# Altium PCB amp.PcbDoc (part 9 of 20)
Units mm, origin at the board's own origin, x right, y up, seen from the top; angles counter-clockwise.
Board outline 210 x 210 mm, 2 copper layers (Top Layer, Bottom Layer); 742 components, 1354 nets, 6402 pads, 5154 vias.
Unrouted connection lines stored in the file: 702.
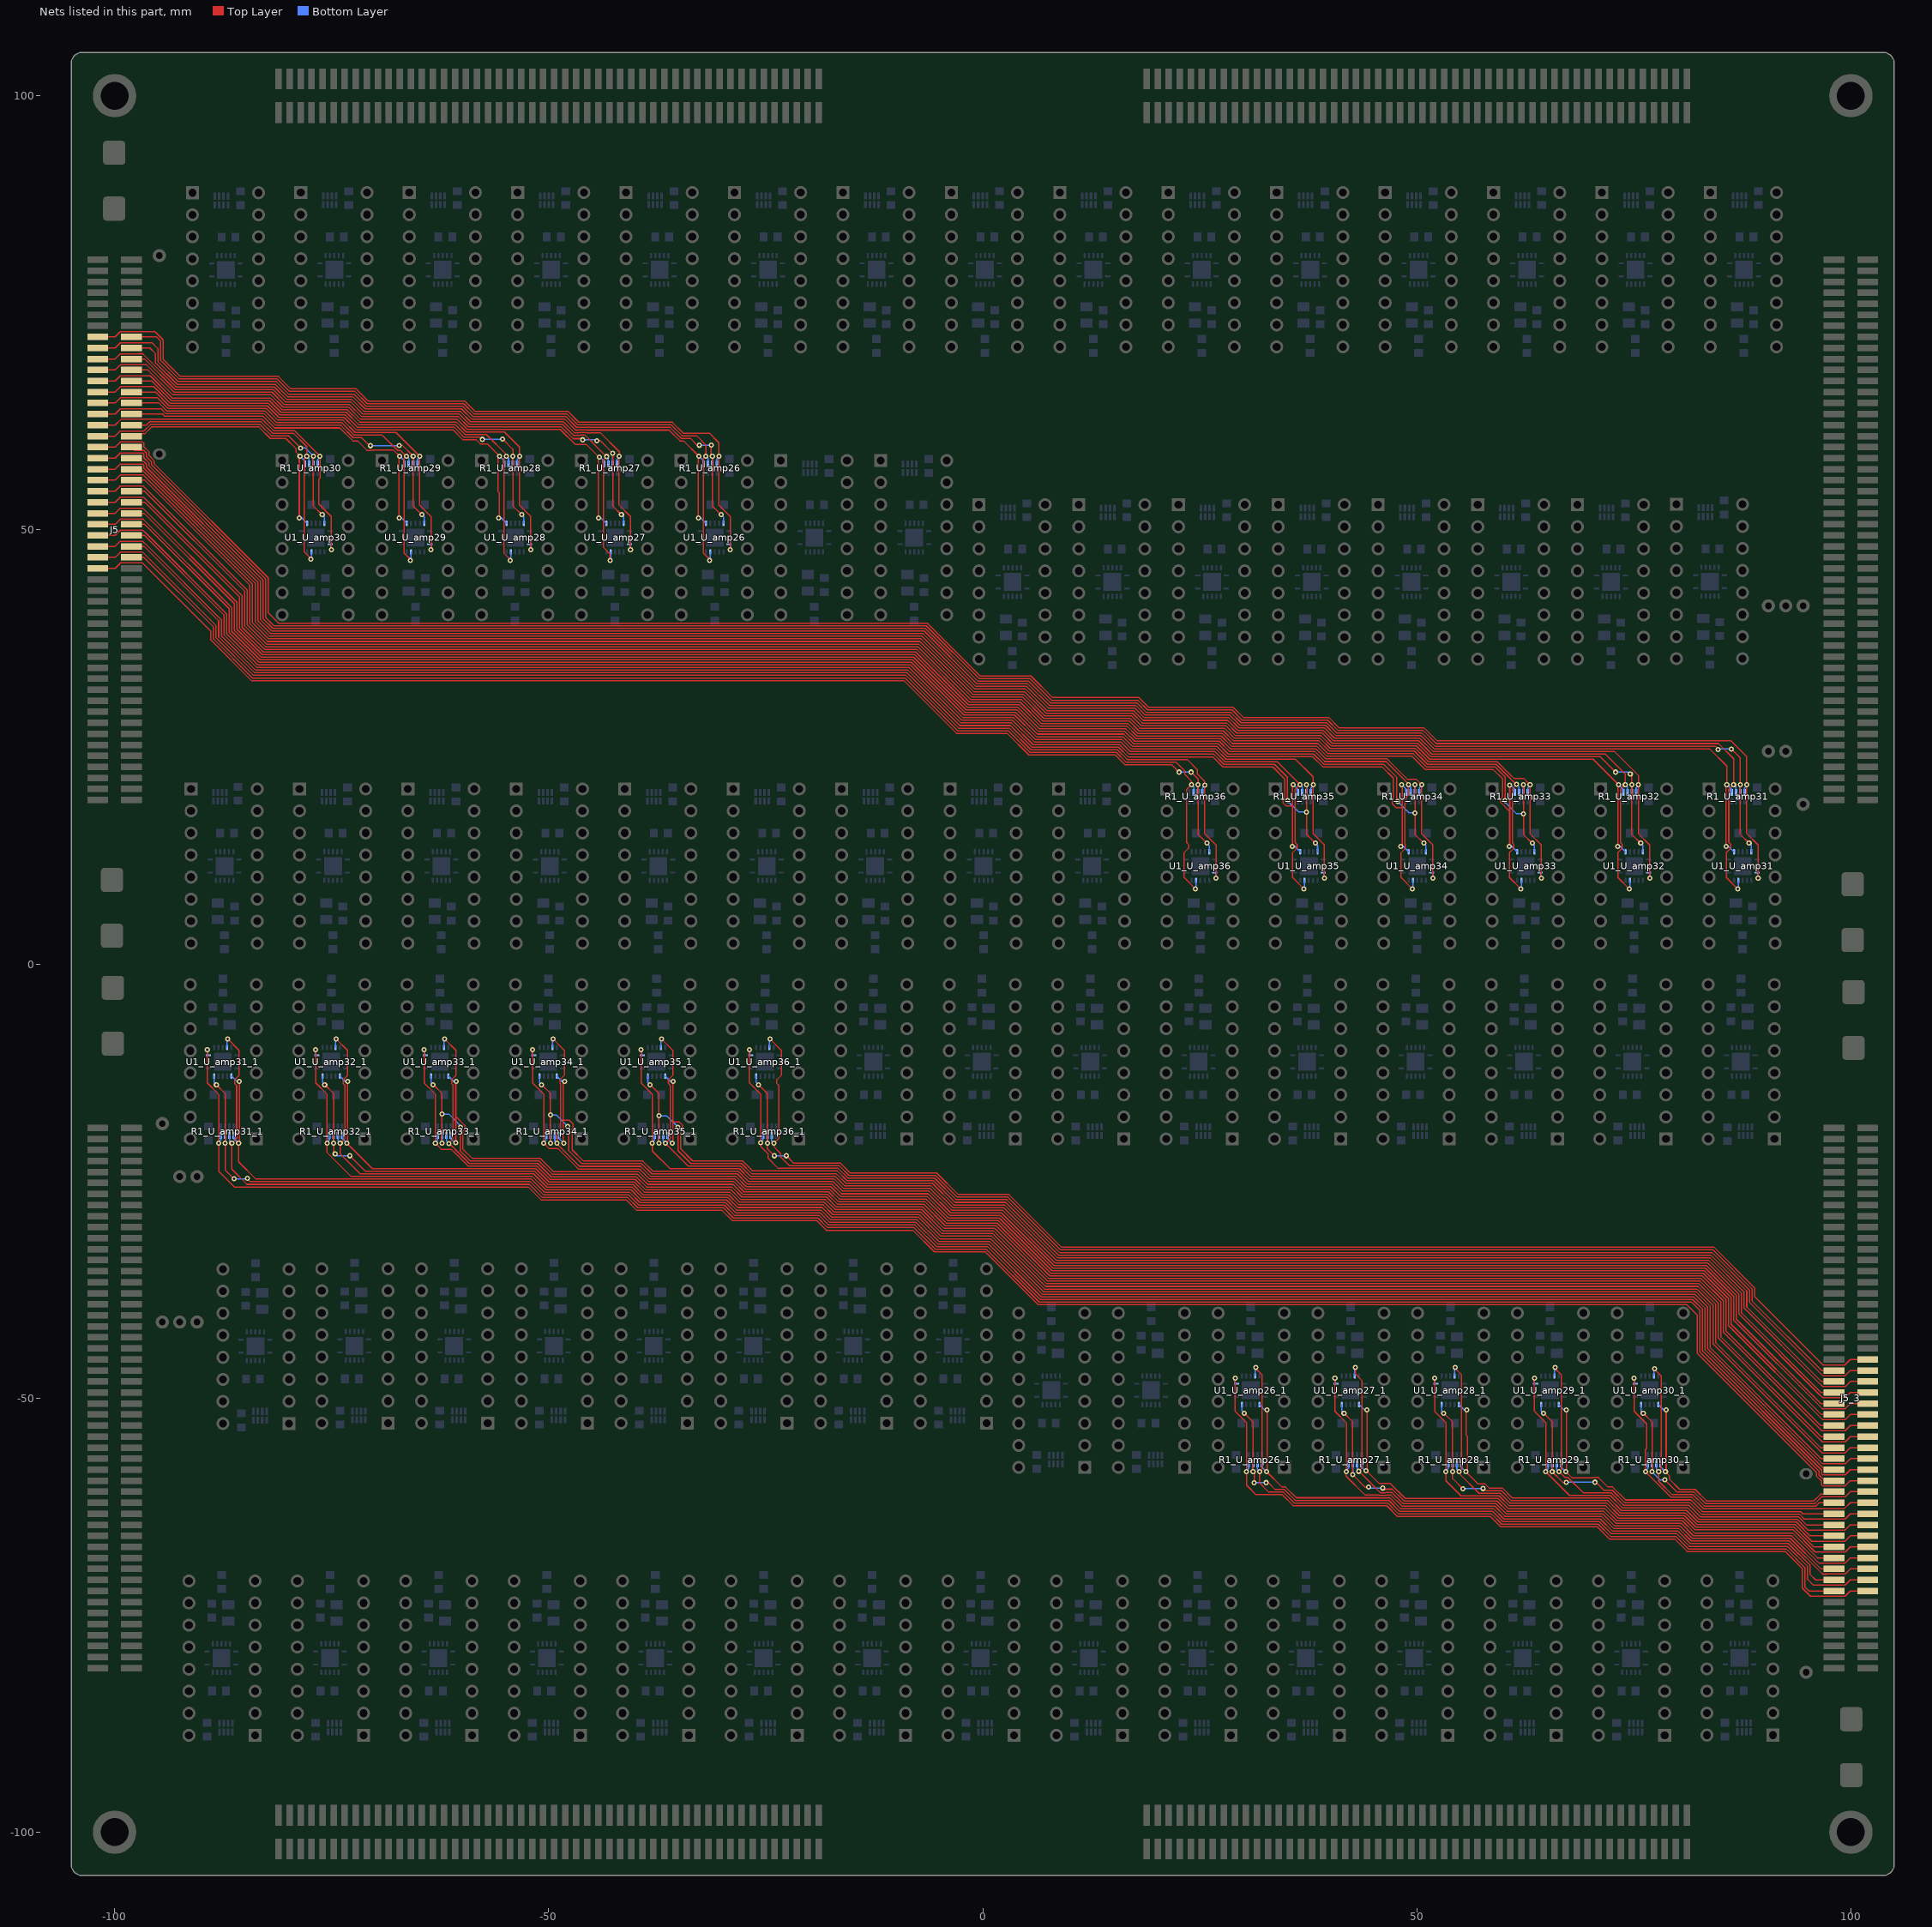
[diagram p9: the nets of this part, all layers, seen from the top]

## Via types
v1: diameter 0.6, hole 0.3, Top Layer to Bottom Layer, tented both sides, 4704 vias
v2: diameter 0.5, hole 0.3, Top Layer to Bottom Layer, 450 vias

## Nets (pads, with @x,y where several pads share a name; then routed paths per layer and width w, separated by ;. In a path a pad name is that pad's centre, name@x,y a point inside that pad or via, vN(x,y) a via of type N, cw(c..) or ccw(c..) an arc to the next point about the centre after c; other vN are vias at no path point) (continued)
NetJ5_44: J5.44 J5_3.44 R1_U_amp36.7 R1_U_amp36_1.7 U1_U_amp36.13 U1_U_amp36_1.13 | length 295.5
  Top Layer w0.15: J5.44@-101.95,45.555 -99.938,45.555 -99.293,46.2 -96.807,46.2 -88.913,38.306 -88.913,37.303 -84.251,32.641 -9.099,32.641 -3.018,26.56 2.82,26.56 5.308,24.072 15.264,24.072 16.383,22.953 21.747,22.953 v1(22.6,22.1) ; v1(-25.83,-13.909) -24.814,-14.925 v1(-24.814,-20.65) -24.814,-21.286 v1(-24,-22.1) ; v1(-22.6,-22.1) -21.747,-22.953 -16.383,-22.953 -15.264,-24.072 -5.308,-24.072 -2.82,-26.56 3.018,-26.56 9.099,-32.641 84.251,-32.641 88.913,-37.303 88.913,-38.306 96.807,-46.2 99.293,-46.2 99.938,-45.555 J5_3.44@101.95,-45.555 ; v1(24,22.1) 24.814,21.286 v1(24.814,20.65) 24.814,14.925 v1(25.83,13.909)
  Bottom Layer w0.15: U1_U_amp36_1.13@-26.084,-12.918 -26.084,-13.655 v1(-25.83,-13.909) ; v1(-24.814,-20.65) -24.814,-20.657 -24.81,-20.661 R1_U_amp36_1.7@-24.81,-19.768 ; v1(-24,-22.1) v1(-22.6,-22.1) ; v1(22.6,22.1) v1(24,22.1) ; R1_U_amp36.7@24.81,19.768 24.81,20.661 24.814,20.657 v1(24.814,20.65) ; v1(25.83,13.909) 26.084,13.655 U1_U_amp36.13@26.084,12.918
NetJ5_45: J5.45 J5_3.45 R1_U_amp36.6 R1_U_amp36_1.6 U1_U_amp36.5 U1_U_amp36_1.5 | length 298.6
  Top Layer w0.15: J5.45@-98.05,46.825 -96.625,46.825 -88.613,38.813 -88.613,37.428 -84.126,32.941 -8.975,32.941 -2.894,26.86 2.945,26.86 5.433,24.372 15.388,24.372 16.507,23.253 22.247,23.253 23.279,22.221 23.279,21.821 24.052,21.048 v1(24.052,20.665) 23.488,20.102 23.488,13.996 23.713,13.771 23.713,13.336 23.212,12.834 23.212,9.948 v1(24.509,8.651) v1@24.509,8.626 ; v1@-24.509,-8.626 v1(-24.509,-8.651) -23.212,-9.948 -23.212,-12.834 -23.713,-13.336 -23.713,-13.771 -23.488,-13.996 -23.488,-20.102 v1(-24.052,-20.665) -24.052,-21.048 -23.279,-21.821 -23.279,-22.221 -22.247,-23.253 -16.507,-23.253 -15.388,-24.372 -5.433,-24.372 -2.945,-26.86 2.894,-26.86 8.975,-32.941 84.126,-32.941 88.613,-37.428 88.613,-38.813 96.625,-46.825 J5_3.45@98.05,-46.825
  Bottom Layer w0.15: U1_U_amp36_1.5@-24.584,-9.618 -24.584,-8.726 v1(-24.509,-8.651) ; R1_U_amp36_1.6@-24.31,-19.768 -24.31,-20.407 v1(-24.052,-20.665) ; v1(24.052,20.665) 24.31,20.407 R1_U_amp36.6@24.31,19.768 ; v1(24.509,8.651) 24.584,8.726 U1_U_amp36.5@24.584,9.618
NetJ5_46: J5.46 J5_3.46 R1_U_amp36.8 R1_U_amp36_1.8 U1_U_amp36.1 U1_U_amp36_1.1 | length 306.4
  Top Layer w0.15: J5.46@-101.95,46.825 -99.938,46.825 -99.343,47.42 -96.757,47.42 -88.313,38.976 -88.313,37.552 -84.002,33.241 -8.85,33.241 -2.769,27.16 3.069,27.16 5.557,24.672 15.513,24.672 16.632,23.553 23.547,23.553 24.7,22.4 24.7,21.9 25.56,21.04 25.56,15.026 26.871,13.715 v1(26.871,9.87) ; v1(-26.871,-9.87) -26.871,-13.715 -25.56,-15.026 -25.56,-21.04 -24.7,-21.9 -24.7,-22.4 -23.547,-23.553 -16.632,-23.553 -15.513,-24.672 -5.557,-24.672 -3.069,-27.16 2.769,-27.16 8.85,-33.241 84.002,-33.241 88.313,-37.552 88.313,-38.976 96.757,-47.42 99.343,-47.42 99.938,-46.825 J5_3.46@101.95,-46.825
  Bottom Layer w0.15: v1(-26.871,-9.87) -26.871,-10.381 U1_U_amp36_1.1@-26.734,-10.518 ; v1(-25.6,-20.6) -25.6,-20.562 -25.31,-20.272 R1_U_amp36_1.8@-25.31,-19.768 ; R1_U_amp36.8@25.31,19.768 25.31,20.272 25.6,20.562 v1(25.6,20.6) ; U1_U_amp36.1@26.734,10.518 26.871,10.381 v1(26.871,9.87)
NetJ5_47: J5.47 J5_3.47 R1_U_amp35.5 R1_U_amp35_1.5 U1_U_amp35.9 U1_U_amp35_1.9 | length 317
  Top Layer w0.15: J5.47@-98.05,48.095 -96.595,48.095 -88.013,39.513 -88.013,37.676 -83.878,33.541 -8.726,33.541 -2.645,27.46 3.193,27.46 5.681,24.972 15.637,24.972 16.756,23.853 26.489,23.853 27.655,22.687 33.413,22.687 34.8,21.3 34.8,19.242 34.575,19.017 34.575,18.583 34.958,18.2 35.679,18.2 ; v1(-35.755,-20.665) -35.679,-20.589 -35.679,-18.2 ; v1(-35.679,-13.553) -35.679,-18.2 ; v1(35.679,13.553) 35.679,18.2 ; v1(35.755,20.665) 35.679,20.589 35.679,18.2 ; J5_3.47@98.05,-48.095 96.595,-48.095 88.013,-39.513 88.013,-37.676 83.878,-33.541 8.726,-33.541 2.645,-27.46 -3.193,-27.46 -5.681,-24.972 -15.637,-24.972 -16.756,-23.853 -26.489,-23.853 -27.655,-22.687 -33.413,-22.687 -34.8,-21.3 -34.8,-19.242 -34.575,-19.017 -34.575,-18.583 -34.958,-18.2 -35.679,-18.2
  Bottom Layer w0.15: U1_U_amp35_1.9@-36.574,-12.918 -35.939,-13.553 v1(-35.679,-13.553) ; R1_U_amp35_1.5@-36.3,-19.768 -36.3,-20.12 v1(-35.755,-20.665) ; v1(35.679,13.553) 35.939,13.553 U1_U_amp35.9@36.574,12.918 ; v1(35.755,20.665) 36.3,20.12 R1_U_amp35.5@36.3,19.768
NetJ5_48: J5.48 J5_3.48 R1_U_amp35.7 R1_U_amp35_1.7 U1_U_amp35.13 U1_U_amp35_1.13 | length 328.5
  Top Layer w0.15: J5.48@-101.95,48.095 -99.938,48.095 -99.343,48.69 -96.757,48.69 -96.625,48.558 -96.625,48.525 -96.495,48.395 -96.471,48.395 -87.713,39.637 -87.713,37.801 -83.754,33.841 -8.602,33.841 -2.521,27.76 3.317,27.76 5.805,25.272 15.761,25.272 16.88,24.153 26.613,24.153 27.779,22.987 33.613,22.987 35.1,21.5 v1(35.1,18.8) ; v1(-38.32,-13.909) -37.304,-14.925 v1(-37.304,-20.665) ; v1(-35.1,-18.8) -35.1,-21.5 -33.613,-22.987 -27.779,-22.987 -26.613,-24.153 -16.88,-24.153 -15.761,-25.272 -5.805,-25.272 -3.317,-27.76 2.521,-27.76 8.602,-33.841 83.754,-33.841 87.713,-37.801 87.713,-39.637 96.471,-48.395 96.495,-48.395 96.625,-48.525 96.625,-48.558 96.757,-48.69 99.343,-48.69 99.938,-48.095 J5_3.48@101.95,-48.095 ; v1(37.304,20.665) 37.304,14.925 v1(38.32,13.909)
  Bottom Layer w0.15: U1_U_amp35_1.13@-38.574,-12.918 -38.574,-13.655 v1(-38.32,-13.909) ; v1(-37.304,-20.665) -37.3,-20.661 R1_U_amp35_1.7@-37.3,-19.768 ; v1(-37.3,-17.5) -36.4,-17.5 v1(-35.1,-18.8) ; v1(35.1,18.8) 36.4,17.5 v1(37.3,17.5) ; R1_U_amp35.7@37.3,19.768 37.3,20.661 v1(37.304,20.665) ; v1(38.32,13.909) 38.574,13.655 U1_U_amp35.13@38.574,12.918
NetJ5_49: J5.49 J5_3.49 R1_U_amp35.6 R1_U_amp35_1.6 U1_U_amp35.5 U1_U_amp35_1.5 | length 325.9
  Top Layer w0.15: J5.49@-98.05,49.365 -96.565,49.365 -87.413,40.213 -87.413,37.925 -83.629,34.141 -8.478,34.141 -2.397,28.06 3.442,28.06 5.93,25.572 15.885,25.572 17.004,24.453 26.737,24.453 27.904,23.287 33.92,23.287 v1(36.542,20.665) 35.979,20.102 35.979,13.996 36.204,13.771 36.204,13.336 35.702,12.834 35.702,9.948 v1(36.999,8.651) v1@36.999,8.626 ; v1@-36.999,-8.626 v1(-36.999,-8.651) -35.702,-9.948 -35.702,-12.834 -36.204,-13.336 -36.204,-13.771 -35.979,-13.996 -35.979,-20.102 v1(-36.542,-20.665) -33.92,-23.287 -27.904,-23.287 -26.737,-24.453 -17.004,-24.453 -15.885,-25.572 -5.93,-25.572 -3.442,-28.06 2.397,-28.06 8.478,-34.141 83.629,-34.141 87.413,-37.925 87.413,-40.213 96.565,-49.365 J5_3.49@98.05,-49.365
  Bottom Layer w0.15: U1_U_amp35_1.5@-37.074,-9.618 -37.074,-8.726 v1(-36.999,-8.651) ; R1_U_amp35_1.6@-36.8,-19.768 -36.8,-20.407 v1(-36.542,-20.665) ; v1(36.542,20.665) 36.8,20.407 R1_U_amp35.6@36.8,19.768 ; v1(36.999,8.651) 37.074,8.726 U1_U_amp35.5@37.074,9.618
NetJ5_50: J5.50 J5_3.50 R1_U_amp35.8 R1_U_amp35_1.8 U1_U_amp35.1 U1_U_amp35_1.1 | length 334.6
  Top Layer w0.15: J5.50@-101.95,49.365 -99.938,49.365 -99.343,49.96 -96.757,49.96 -96.625,49.828 -96.625,49.825 -96.465,49.665 -96.441,49.665 -87.113,40.337 -87.113,38.049 -83.505,34.441 -8.353,34.441 -2.272,28.36 3.566,28.36 6.054,25.872 16.01,25.872 17.129,24.753 26.862,24.753 28.028,23.587 36.013,23.587 38.05,21.55 38.05,15.026 39.362,13.715 v1(39.362,9.87) ; v1(-39.362,-9.87) -39.362,-13.715 -38.05,-15.026 -38.05,-21.55 -36.013,-23.587 -28.028,-23.587 -26.862,-24.753 -17.129,-24.753 -16.01,-25.872 -6.054,-25.872 -3.566,-28.36 2.272,-28.36 8.353,-34.441 83.505,-34.441 87.113,-38.049 87.113,-40.337 96.441,-49.665 96.465,-49.665 96.625,-49.825 96.625,-49.828 96.757,-49.96 99.343,-49.96 99.938,-49.365 J5_3.50@101.95,-49.365
  Bottom Layer w0.15: v1(-39.362,-9.87) -39.362,-10.381 U1_U_amp35_1.1@-39.224,-10.518 ; v1(-38.066,-20.665) -38.066,-20.538 -37.8,-20.272 R1_U_amp35_1.8@-37.8,-19.768 ; R1_U_amp35.8@37.8,19.768 37.8,20.272 38.066,20.538 v1(38.066,20.665) ; U1_U_amp35.1@39.224,10.518 39.362,10.381 v1(39.362,9.87)
NetJ5_51: J5.51 J5_3.51 R1_U_amp34.5 R1_U_amp34_1.5 U1_U_amp34.9 U1_U_amp34_1.9 | length 345.7
  Top Layer w0.15: J5.51@-98.05,50.635 -96.535,50.635 -86.813,40.913 -86.813,38.173 -83.381,34.741 -8.229,34.741 -2.148,28.66 3.69,28.66 6.178,26.172 16.134,26.172 17.253,25.053 26.986,25.053 28.152,23.887 37.987,23.887 39.161,22.712 45.988,22.712 47.3,21.4 47.3,19 47.2,18.9 47.2,18.424 47.624,18 48.325,18 ; v1(-48.245,-20.665) -48.325,-20.585 -48.325,-18 ; v1(-48.169,-13.553) -48.325,-13.709 -48.325,-18 ; v1(48.169,13.553) 48.325,13.709 48.325,18 ; v1(48.245,20.665) 48.325,20.585 48.325,18 ; J5_3.51@98.05,-50.635 96.535,-50.635 86.813,-40.913 86.813,-38.173 83.381,-34.741 8.229,-34.741 2.148,-28.66 -3.69,-28.66 -6.178,-26.172 -16.134,-26.172 -17.253,-25.053 -26.986,-25.053 -28.152,-23.887 -37.987,-23.887 -39.161,-22.712 -45.988,-22.712 -47.3,-21.4 -47.3,-19 -47.2,-18.9 -47.2,-18.424 -47.624,-18 -48.325,-18
  Bottom Layer w0.15: U1_U_amp34_1.9@-49.064,-12.918 -48.429,-13.553 v1(-48.169,-13.553) ; R1_U_amp34_1.5@-48.79,-19.768 -48.79,-20.12 v1(-48.245,-20.665) ; v1(48.169,13.553) 48.429,13.553 U1_U_amp34.9@49.064,12.918 ; v1(48.245,20.665) 48.79,20.12 R1_U_amp34.5@48.79,19.768
NetJ5_52: J5.52 J5_3.52 R1_U_amp34.7 R1_U_amp34_1.7 U1_U_amp34.13 U1_U_amp34_1.13 | length 356.7
  Top Layer w0.15: J5.52@-101.95,50.635 -99.938,50.635 -99.343,51.23 -96.706,51.23 -86.513,41.037 -86.513,38.298 -83.257,35.041 -8.105,35.041 -2.024,28.96 3.814,28.96 6.302,26.472 16.258,26.472 17.377,25.353 27.11,25.353 28.276,24.187 38.111,24.187 39.285,23.012 46.163,23.012 47.7,21.476 47.7,18.8 v1(47.8,18.7) ; v1(-50.81,-13.909) -49.794,-14.925 v1(-49.794,-20.665) ; v1(-47.8,-18.7) -47.7,-18.8 -47.7,-21.476 -46.163,-23.012 -39.285,-23.012 -38.111,-24.187 -28.276,-24.187 -27.11,-25.353 -17.377,-25.353 -16.258,-26.472 -6.302,-26.472 -3.814,-28.96 2.024,-28.96 8.105,-35.041 83.257,-35.041 86.513,-38.298 86.513,-41.037 96.706,-51.23 99.343,-51.23 99.938,-50.635 J5_3.52@101.95,-50.635 ; v1(49.794,20.665) 49.794,14.925 v1(50.81,13.909)
  Bottom Layer w0.15: U1_U_amp34_1.13@-51.064,-12.918 -51.064,-13.655 v1(-50.81,-13.909) ; v1(-49.8,-17.4) -49.1,-17.4 v1(-47.8,-18.7) ; v1(-49.794,-20.665) -49.79,-20.661 R1_U_amp34_1.7@-49.79,-19.768 ; v1(47.8,18.7) 49.1,17.4 v1(49.8,17.4) ; R1_U_amp34.7@49.79,19.768 49.79,20.661 v1(49.794,20.665) ; v1(50.81,13.909) 51.064,13.655 U1_U_amp34.13@51.064,12.918
NetJ5_53: J5.53 J5_3.53 R1_U_amp34.6 R1_U_amp34_1.6 U1_U_amp34.5 U1_U_amp34_1.5 | length 353.7
  Top Layer w0.15: J5.53@-98.05,51.905 -96.605,51.905 -86.213,41.513 -86.213,38.422 -83.132,35.341 -7.98,35.341 -1.9,29.26 3.939,29.26 6.427,26.772 16.382,26.772 17.501,25.653 27.234,25.653 28.401,24.487 38.235,24.487 39.41,23.312 46.463,23.312 46.463,23.292 49.032,20.723 v1(49.032,20.665) 49.032,19.449 48.625,19.042 48.625,13.839 48.694,13.771 48.694,13.336 48.192,12.834 48.192,9.948 v1(49.49,8.651) v1@49.49,8.626 ; v1@-49.49,-8.626 v1(-49.49,-8.651) -48.192,-9.948 -48.192,-12.834 -48.694,-13.336 -48.694,-13.771 -48.625,-13.839 -48.625,-19.042 -49.032,-19.449 v1(-49.032,-20.665) -49.032,-20.723 -46.463,-23.292 -46.463,-23.312 -39.41,-23.312 -38.235,-24.487 -28.401,-24.487 -27.234,-25.653 -17.501,-25.653 -16.382,-26.772 -6.427,-26.772 -3.939,-29.26 1.9,-29.26 7.98,-35.341 83.132,-35.341 86.213,-38.422 86.213,-41.513 96.605,-51.905 J5_3.53@98.05,-51.905
  Bottom Layer w0.15: U1_U_amp34_1.5@-49.564,-9.618 -49.564,-8.726 v1(-49.49,-8.651) ; R1_U_amp34_1.6@-49.29,-19.768 -49.29,-20.407 v1(-49.032,-20.665) ; v1(49.032,20.665) 49.29,20.407 R1_U_amp34.6@49.29,19.768 ; v1(49.49,8.651) 49.564,8.726 U1_U_amp34.5@49.564,9.618
NetJ5_54: J5.54 J5_3.54 R1_U_amp34.8 R1_U_amp34_1.8 U1_U_amp34.1 U1_U_amp34_1.1 | length 361.6
  Top Layer w0.15: J5.54@-101.95,51.905 -99.938,51.905 -99.343,52.5 -96.757,52.5 -85.913,41.656 -85.913,38.546 -83.008,35.641 -7.856,35.641 -1.775,29.56 4.063,29.56 6.551,27.072 16.507,27.072 17.626,25.953 27.359,25.953 28.525,24.787 38.359,24.787 39.534,23.612 46.588,23.612 46.763,23.437 46.763,23.416 48.904,21.275 49.927,21.275 50.319,20.883 50.319,20.87 50.54,20.649 50.54,15.026 51.852,13.715 v1(51.852,9.87) ; v1(-51.852,-9.87) -51.852,-13.715 -50.54,-15.026 -50.54,-20.649 -50.319,-20.87 -50.319,-20.883 -49.927,-21.275 -48.904,-21.275 -46.763,-23.416 -46.763,-23.437 -46.588,-23.612 -39.534,-23.612 -38.359,-24.787 -28.525,-24.787 -27.359,-25.953 -17.626,-25.953 -16.507,-27.072 -6.551,-27.072 -4.063,-29.56 1.775,-29.56 7.856,-35.641 83.008,-35.641 85.913,-38.546 85.913,-41.656 96.757,-52.5 99.343,-52.5 99.938,-51.905 J5_3.54@101.95,-51.905
  Bottom Layer w0.15: v1(-51.852,-9.87) -51.852,-10.381 U1_U_amp34_1.1@-51.714,-10.518 ; v1(-50.556,-20.665) -50.556,-20.538 -50.29,-20.272 R1_U_amp34_1.8@-50.29,-19.768 ; R1_U_amp34.8@50.29,19.768 50.29,20.272 50.556,20.538 v1(50.556,20.665) ; U1_U_amp34.1@51.714,10.518 51.852,10.381 v1(51.852,9.87)
NetJ5_55: J5.55 J5_3.55 R1_U_amp33.5 R1_U_amp33_1.5 U1_U_amp33.9 U1_U_amp33_1.9 | length 373.7
  Top Layer w0.15: J5.55@-98.05,53.175 -96.499,53.175 -85.613,42.289 -85.613,38.67 -82.884,35.941 -7.732,35.941 -1.651,29.86 4.187,29.86 6.675,27.372 16.631,27.372 17.75,26.253 27.483,26.253 28.649,25.087 38.484,25.087 39.658,23.912 49.469,23.912 50.994,22.387 58.813,22.387 59.875,21.325 59.875,19.268 59.65,19.043 59.65,18.608 60.659,17.599 ; v1(-60.7,-20.6) -60.7,-17.639 -60.659,-17.599 ; v1(-60.659,-13.553) -60.7,-13.594 -60.7,-17.558 -60.659,-17.599 ; v1(60.659,13.553) 60.7,13.594 60.7,17.558 60.659,17.599 ; v1(60.7,20.6) 60.7,17.639 60.659,17.599 ; J5_3.55@98.05,-53.175 96.499,-53.175 85.613,-42.289 85.613,-38.67 82.884,-35.941 7.732,-35.941 1.651,-29.86 -4.187,-29.86 -6.675,-27.372 -16.631,-27.372 -17.75,-26.253 -27.483,-26.253 -28.649,-25.087 -38.484,-25.087 -39.658,-23.912 -49.469,-23.912 -50.994,-22.387 -58.813,-22.387 -59.875,-21.325 -59.875,-19.268 -59.65,-19.043 -59.65,-18.608 -60.659,-17.599
  Bottom Layer w0.15: U1_U_amp33_1.9@-61.555,-12.918 -60.92,-13.553 v1(-60.659,-13.553) ; R1_U_amp33_1.5@-61.281,-19.768 -61.281,-20.12 -60.8,-20.6 v1(-60.7,-20.6) ; v1(60.659,13.553) 60.92,13.553 U1_U_amp33.9@61.555,12.918 ; v1(60.7,20.6) 60.8,20.6 61.281,20.12 R1_U_amp33.5@61.281,19.768
NetJ5_56: J5.56 J5_3.56 R1_U_amp33.7 R1_U_amp33_1.7 U1_U_amp33.13 U1_U_amp33_1.13 | length 385.2
  Top Layer w0.15: J5.56@-101.95,53.175 -99.938,53.175 -99.343,53.77 -96.67,53.77 -85.313,42.413 -85.313,38.795 -82.76,36.241 -7.608,36.241 -1.527,30.16 4.312,30.16 6.8,27.672 16.755,27.672 17.874,26.553 27.607,26.553 28.773,25.387 38.608,25.387 39.783,24.212 49.593,24.212 51.118,22.687 59.022,22.687 60.175,21.534 v1(60.175,18.825) v1@60.2,18.8 ; v1(-63.301,-13.909) -62.285,-14.925 v1(-62.285,-17.3) v1(-62.285,-20.665) ; v1@-60.2,-18.8 v1(-60.175,-18.825) -60.175,-21.534 -59.022,-22.687 -51.118,-22.687 -49.593,-24.212 -39.783,-24.212 -38.608,-25.387 -28.773,-25.387 -27.607,-26.553 -17.874,-26.553 -16.755,-27.672 -6.8,-27.672 -4.312,-30.16 1.527,-30.16 7.608,-36.241 82.76,-36.241 85.313,-38.795 85.313,-42.413 96.67,-53.77 99.343,-53.77 99.938,-53.175 J5_3.56@101.95,-53.175 ; v1(62.285,20.665) v1(62.285,17.3) 62.285,14.925 v1(63.301,13.909)
  Bottom Layer w0.15: U1_U_amp33_1.13@-63.555,-12.918 -63.555,-13.655 v1(-63.301,-13.909) ; v1(-62.285,-20.665) -62.281,-20.661 R1_U_amp33_1.7@-62.281,-19.768 ; v1(-62.285,-17.3) -61.5,-17.3 -60.175,-18.625 v1(-60.175,-18.825) ; v1(60.175,18.825) 60.175,18.625 61.5,17.3 v1(62.285,17.3) ; R1_U_amp33.7@62.281,19.768 62.281,20.661 v1(62.285,20.665) ; v1(63.301,13.909) 63.555,13.655 U1_U_amp33.13@63.555,12.918
NetJ5_57: J5.57 J5_3.57 R1_U_amp33.6 R1_U_amp33_1.6 U1_U_amp33.5 U1_U_amp33_1.5 | length 382
  Top Layer w0.15: J5.57@-98.05,54.445 -96.545,54.445 -85.013,42.913 -85.013,38.919 -82.635,36.541 -7.483,36.541 -1.402,30.46 4.436,30.46 6.924,27.972 16.879,27.972 17.998,26.853 27.731,26.853 28.898,25.687 38.732,25.687 39.907,24.512 49.717,24.512 51.242,22.987 59.146,22.987 60.575,21.558 61.058,21.075 61.067,21.075 61.5,20.642 61,20.142 61,13.955 61.184,13.771 61.184,13.336 60.682,12.834 60.682,9.948 v1(61.98,8.651) v1@61.98,8.626 ; v1@-61.98,-8.626 v1(-61.98,-8.651) -60.682,-9.948 -60.682,-12.834 -61.184,-13.336 -61.184,-13.771 -61,-13.955 -61,-20.142 -61.5,-20.642 -61.067,-21.075 -61.058,-21.075 -60.575,-21.558 -59.146,-22.987 -51.242,-22.987 -49.717,-24.512 -39.907,-24.512 -38.732,-25.687 -28.898,-25.687 -27.731,-26.853 -17.998,-26.853 -16.879,-27.972 -6.924,-27.972 -4.436,-30.46 1.402,-30.46 7.483,-36.541 82.635,-36.541 85.013,-38.919 85.013,-42.913 96.545,-54.445 J5_3.57@98.05,-54.445
  Bottom Layer w0.15: U1_U_amp33_1.5@-62.055,-9.618 -62.055,-8.726 v1(-61.98,-8.651) ; R1_U_amp33_1.6@-61.781,-19.768 -61.781,-20.407 -61.773,-20.4 -61.5,-20.674 v1(-61.5,-20.7) ; v1(61.5,20.7) 61.5,20.674 61.773,20.4 61.781,20.407 R1_U_amp33.6@61.781,19.768 ; v1(61.98,8.651) 62.055,8.726 U1_U_amp33.5@62.055,9.618
NetJ5_58: J5.58 J5_3.58 R1_U_amp33.8 R1_U_amp33_1.8 U1_U_amp33.1 U1_U_amp33_1.1 | length 389.7
  Top Layer w0.15: J5.58@-101.95,54.445 -99.938,54.445 -99.343,55.04 -96.716,55.04 -84.713,43.037 -84.713,39.043 -82.511,36.841 -7.359,36.841 -1.278,30.76 4.56,30.76 7.048,28.272 17.004,28.272 18.123,27.153 27.856,27.153 29.022,25.987 38.856,25.987 40.031,24.812 49.841,24.812 51.367,23.287 59.27,23.287 60.875,21.683 61.182,21.375 61.617,21.375 62.317,21.375 62.81,20.883 62.81,20.87 63.031,20.649 63.031,15.026 64.342,13.715 v1(64.342,9.87) ; v1(-64.342,-9.87) -64.342,-13.715 -63.031,-15.026 -63.031,-20.649 -62.81,-20.87 -62.81,-20.883 -62.317,-21.375 -61.617,-21.375 -61.182,-21.375 -60.875,-21.682 -59.27,-23.287 -51.367,-23.287 -49.841,-24.812 -40.031,-24.812 -38.856,-25.987 -29.022,-25.987 -27.856,-27.153 -18.123,-27.153 -17.004,-28.272 -7.048,-28.272 -4.56,-30.76 1.278,-30.76 7.359,-36.841 82.511,-36.841 84.713,-39.043 84.713,-43.037 96.716,-55.04 99.343,-55.04 99.938,-54.445 J5_3.58@101.95,-54.445
  Bottom Layer w0.15: v1(-64.342,-9.87) -64.342,-10.381 U1_U_amp33_1.1@-64.205,-10.518 ; v1(-63.047,-20.665) -63.047,-20.538 -62.781,-20.272 R1_U_amp33_1.8@-62.781,-19.768 ; R1_U_amp33.8@62.781,19.768 62.781,20.272 63.047,20.538 v1(63.047,20.665) ; U1_U_amp33.1@64.205,10.518 64.342,10.381 v1(64.342,9.87)
NetJ5_59: J5.59 J5_3.59 R1_U_amp32.5 R1_U_amp32_1.5 U1_U_amp32.9 U1_U_amp32_1.9 | length 395.6
  Top Layer w0.15: J5.59@-98.05,55.715 -96.515,55.715 -84.413,43.613 -84.413,39.167 -82.387,37.141 -7.235,37.141 -1.154,31.06 4.684,31.06 7.172,28.572 17.128,28.572 18.247,27.453 27.98,27.453 29.146,26.287 38.981,26.287 40.155,25.112 49.966,25.112 51.491,23.587 70.303,23.587 v1(73.225,20.665) 73.149,20.589 v1(73.149,13.553) ; v1(-73.149,-13.553) -73.149,-20.589 v1(-73.225,-20.665) -70.303,-23.587 -51.491,-23.587 -49.966,-25.112 -40.155,-25.112 -38.981,-26.287 -29.146,-26.287 -27.98,-27.453 -18.247,-27.453 -17.128,-28.572 -7.172,-28.572 -4.684,-31.06 1.154,-31.06 7.235,-37.141 82.387,-37.141 84.413,-39.167 84.413,-43.613 96.515,-55.715 J5_3.59@98.05,-55.715
  Bottom Layer w0.15: U1_U_amp32_1.9@-74.045,-12.918 -73.41,-13.553 v1(-73.149,-13.553) ; R1_U_amp32_1.5@-73.771,-19.768 -73.771,-20.12 v1(-73.225,-20.665) ; v1(73.149,13.553) 73.41,13.553 U1_U_amp32.9@74.045,12.918 ; v1(73.225,20.665) 73.771,20.12 R1_U_amp32.5@73.771,19.768
NetJ5_60: J5.60 J5_3.60 R1_U_amp32.7 R1_U_amp32_1.7 U1_U_amp32.13 U1_U_amp32_1.13 | length 408.3
  Top Layer w0.15: J5.60@-101.95,55.715 -99.938,55.715 -99.343,56.31 -96.686,56.31 -84.113,43.737 -84.113,39.292 -82.262,37.441 -7.111,37.441 -1.03,31.36 4.809,31.36 7.297,28.872 17.252,28.872 18.371,27.753 28.104,27.753 29.27,26.587 39.105,26.587 40.28,25.412 50.09,25.412 51.615,23.887 71.113,23.887 v1(72.9,22.1) ; v1(-75.791,-13.909) -74.775,-14.925 v1(-74.775,-20.665) -74.775,-21.725 v1(-74.6,-21.9) ; v1(-72.9,-22.1) -71.113,-23.887 -51.615,-23.887 -50.09,-25.412 -40.28,-25.412 -39.105,-26.587 -29.27,-26.587 -28.104,-27.753 -18.371,-27.753 -17.252,-28.872 -7.297,-28.872 -4.809,-31.36 1.03,-31.36 7.111,-37.441 82.262,-37.441 84.113,-39.292 84.113,-43.737 96.686,-56.31 99.343,-56.31 99.938,-55.715 J5_3.60@101.95,-55.715 ; v1(74.6,21.9) 74.775,21.725 v1(74.775,20.665) 74.775,14.925 v1(75.791,13.909)
  Bottom Layer w0.15: U1_U_amp32_1.13@-76.045,-12.918 -76.045,-13.655 v1(-75.791,-13.909) ; v1(-74.775,-20.665) -74.771,-20.661 R1_U_amp32_1.7@-74.771,-19.768 ; v1(-74.6,-21.9) -74.4,-22.1 v1(-72.9,-22.1) ; v1(72.9,22.1) 74.4,22.1 v1(74.6,21.9) ; R1_U_amp32.7@74.771,19.768 74.771,20.661 v1(74.775,20.665) ; v1(75.791,13.909) 76.045,13.655 U1_U_amp32.13@76.045,12.918